# Altium PCB m-BLANC.PcbDoc (part 1 of 15) (continued)
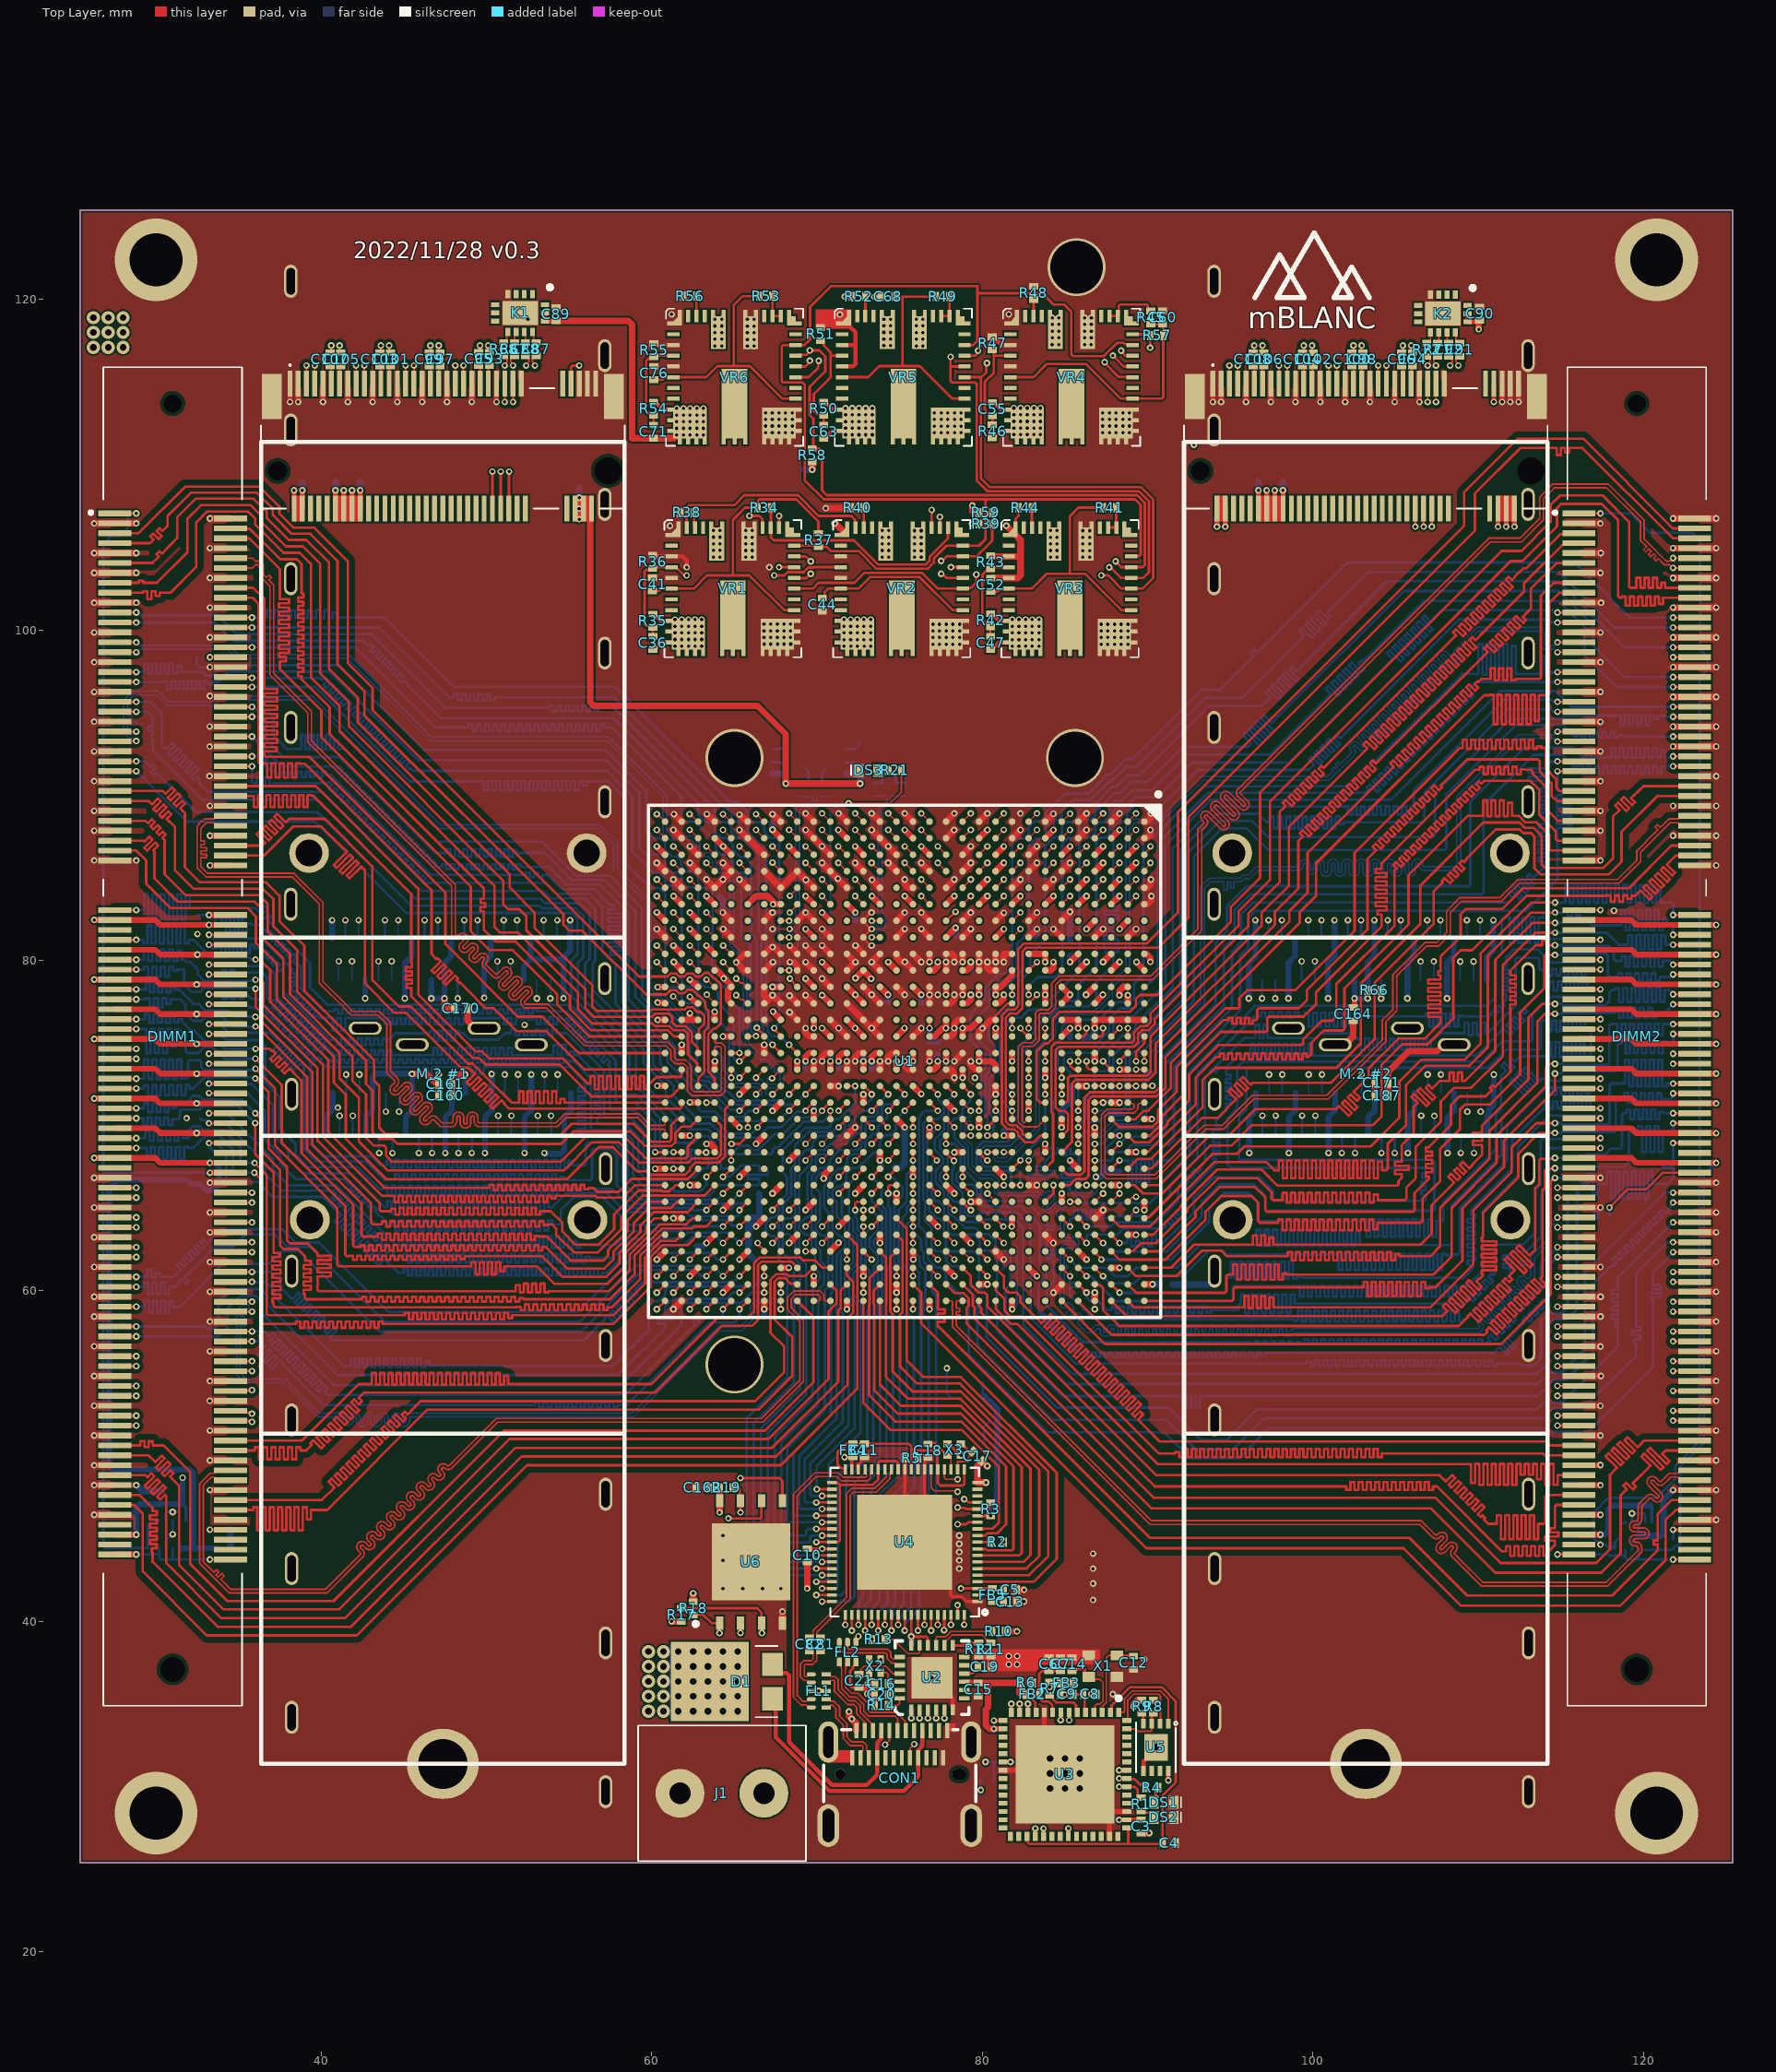
[diagram p0: Top Layer view]
## Components (designator, comment, footprint, x,y, rotation, side; value= is the part's Value field where it differs from the comment) (continued)
C104 "0.1u" SMD0402 99.37,116.38 r270 top locked
C105 "0.1u" SMD0402 41.178,116.38 r270 top
C106 "0.1u" SMD0402 97.028,116.38 r270 top locked
C107 "0.1u" SMD0402 40.526,116.379 r270 top
C108 "0.1u" SMD0402 96.376,116.38 r270 top locked
C109 "0.1u" SMD0402 63.675,83.866 r180 bottom
C110 "0.1u" SMD0402 86.396,84.442 r270 bottom
C111 "0.1u" SMD0402 78.343,84.385 r270 bottom
C112 "0.1u" SMD0402 72.317,82.03 r90 bottom
C113 "0.1u" SMD0402 82.307,84.401 r270 bottom
C114 "0.1u" SMD0402 69.3,73.089 r90 bottom
C115 "0.1u" SMD0402 73.302,73.089 r90 bottom
C116 "0.1u" SMD0402 86.891,78.193 r180 bottom
C117 "0.1u" SMD0402 69.797,78.904 r180 bottom
C118 "0.1u" SMD0402 77.812,73.073 r90 bottom
C119 "1u" SMD0402 84.316,84.385 r270 bottom
C120 "1u" SMD0402 80.3,84.401 r270 bottom
C121 "1u" SMD0402 75.287,84.401 r270 bottom
C122 "1u" SMD0402 79.296,79.087 r90 bottom
C123 "1u" SMD0402 62.296,82.403 r90 bottom
C124 "1u" SMD0402 74.814,79.915 r180 bottom
C125 "1u" SMD0402 71.295,73.089 r90 bottom
C126 "1u" SMD0402 75.792,73.089 r90 bottom
C127 "1u" SMD0402 74.288,77.055 r90 bottom
C128 "1u" SMD0402 76.3,77.055 r90 bottom
C129 "1u" SMD0402 85.353,80.736 r270 bottom
C130 "1u" SMD0402 80.319,88.388 r270 bottom
C131 "1u" SMD0402 85.351,86.402 r90 bottom
C132 "1u" SMD0402 75.287,88.429 r270 bottom
C133 "1u" SMD0402 81.3,86.399 r90 bottom
C134 "0.1u" SMD0402 76.3,86.402 r90 bottom
C135 "0.1u" SMD0402 78.366,81.11 r90 bottom
C136 "0.1u" SMD0402 67.3,88.713 r270 bottom
C137 "0.1u" SMD0402 72.3,86.402 r90 bottom
C138 "0.1u" SMD0402 61.302,80.399 r90 bottom
C139 "0.1u" SMD0402 68.399,74.165 r0 bottom
C140 "0.1u" SMD0402 69.915,71.838 r270 bottom
C141 "0.1u" SMD0402 66.917,65.884 r0 bottom
C142 "0.1u" SMD0402 65.7,61.9 r180 bottom
C143 "0.1u" SMD0402 66.808,58.044 r90 bottom
C144 "0.1u" SMD0402 77.201,58.906 r180 bottom
C145 "0.1u" SMD0402 81.91,63.171 r90 bottom
C146 "0.1u" SMD0402 91.116,60.396 r180 bottom
C147 "0.1u" SMD0402 123.402,82.153 r0 bottom
C148 "0.1u" SMD0402 26.798,82.459 r180 bottom
C149 "0.1u" SMD0402 81.296,82.403 r270 bottom
C150 "0.1u" SMD0402 69.805,82.875 r0 bottom
C151 "0.1u" SMD0402 69.798,81.913 r180 bottom
C152 "0.1u" SMD0402 70.397,74.446 r0 bottom
C153 "0.1u" SMD0402 72.395,74.446 r0 bottom
C154 "0.1u" SMD0402 87.413,27.977 r0 bottom
C155 "0.1u" SMD0402 75.705,38.232 r90 bottom
C156 "0.1u" SMD0402 64.1,46.2 r90 bottom
C157 "0.1u" SMD0402 81.636,33.49 r180 bottom
C158 "0.1u" SMD0402 75.667,35.108 r270 bottom
C159 "0.1u" SMD0402 40.857,109.391 r270 bottom
C160 "0.1u" SMD0402 47.498,71.821 r0 top
C161 "0.1u" SMD0402 47.5,72.5 r0 top
C162 "0.1u" SMD0402 63.067,48.09 r0 top
C163 "0.1u" SMD0402 74.3,67.401 r180 bottom
C164 "1u" SMD0402 102.431,76.754 r90 top
C165 "1u" SMD0402 96.696,109.404 r270 bottom
C166 "1u" SMD0402 94.2,107.2 r270 bottom
C167 "1u" SMD0402 111.691,107.141 r270 bottom
C168 "0.1u" SMD0402 55.996,108.591 r180 bottom
C169 "0.1u" SMD0402 38.839,109.403 r270 bottom
C170 "0.1u" SMD0402 48.452,77.1 r180 top
C171 "0.1u" SMD0402 104.145,72.59 r180 top
C172 "0.1u" SMD0402 87.404,67.893 r90 bottom
C173 "0.1u" SMD0402 81.225,70.186 r90 bottom
C174 "0.1u" SMD0402 117.547,64.486 r0 bottom
C175 "0.1u" SMD0402 67.3,90.9 r270 bottom
C176 "0.1u" SMD0402 71.768,90.891 r270 bottom
C177 "0.1u" SMD0402 73.389,90.346 r270 bottom
C178 "0.1u" SMD0402 75.328,90.35 r270 bottom
C179 "0.1u" SMD0402 74.798,73.089 r90 bottom
C180 "0.1u" SMD0402 78.793,73.888 r270 bottom
C181 "0.1u" SMD0402 85.703,75.316 r180 bottom
C182 "0.1u" SMD0402 82.925,81.101 r225 bottom
C183 "0.1u" SMD0402 85.804,72.38 r0 bottom
C184 "0.1u" SMD0402 67.727,76.866 r180 bottom
C185 "0.1u" SMD0402 76.667,72.307 r270 bottom
C186 "0.1u" SMD0402 72.3,71.881 r0 bottom
C187 "0.1u" SMD0402 104.145,71.802 r180 top
C188 "0.1u" SMD0402 42.345,109.389 r270 bottom
C189 "0.1u" SMD0402 72.901,38.913 r0 bottom
C190 "0.1u" SMD0402 98.172,109.414 r270 bottom
C191 "0.1u" SMD0402 123.402,78.553 r0 bottom
C192 "0.1u" SMD0402 123.402,74.948 r0 bottom
C193 "0.1u" SMD0402 123.39,71.351 r0 bottom
C194 "0.1u" SMD0402 123.393,67.755 r0 bottom
C195 "0.1u" SMD0402 26.798,71.653 r180 bottom
C196 "0.1u" SMD0402 26.798,75.24 r180 bottom
C197 "0.1u" SMD0402 26.798,68.055 r180 bottom
C198 "0.1u" SMD0402 88.298,66.823 r270 bottom
C199 "0.1u" SMD0402 65.852,64.845 r90 bottom
C200 "0.1u" SMD0402 26.798,78.839 r180 bottom
CON1 "USB4055" DX07S024JA2R1200 75,28.452 r0 top locked
D1 "V10P20-M3_86A" V10P20M386A 64.535,36.36 r90 top locked
D2 "CDBZ5T1045-HF" DIOM8060X543N 63.675,36.36 r0 bottom locked
DIMM1 "DDR3" 296409204003856 31,75.4 r270 top locked
DIMM2 "DDR3" 296409204003856 119.6,75.4 r270 top locked
DS1 "LED 0603" LED0603 90.971,29.057 r0 top
DS2 "LED 0603" LED0603 90.971,28.139 r0 top
DS3 "LED 0603" LED0603 73.1,91.5 r180 top
FB1 "600R/0.5A" SMD0402 77.296,74.71 r270 bottom
FB2 "600R/0.5A" SMD0402 83.039,35.587 r180 top
FB3 "600R/0.5A" SMD0402 85.094,36.283 r180 top
FB4 "600R/0.5A" SMD0402 72.171,50.35 r90 top
FB5 "600R/0.5A" SMD0402 80.61,41.599 r270 top
FL1 "ECMF04-4HSWM10" SON50P135X260X55-10N-D 70.1,35.8 r180 top locked
FL2 "ECMF02-2AMX6" SON50P150X170X55-6N-D 71.845,38.15 r90 top locked
J1 "CON" TB00650802BE 61.7,29.6 r0 top locked
K1 "DSC557-0344FI0" QFN50P250X320X90-15N 52.027,119.181 r270 top
K2 "DSC557-0344FI0" QFN50P250X320X90-15N 107.87,119.142 r270 top
"M.2 #1" "PCI-M2-M" PCIE-M2-M 47.35,109.625 r0 top locked
"M.2 #2" "PCI-M2-M" PCIE-M2-M 103.2,109.625 r0 top locked
Q1 "SI2324A-TP" SI2305TP 81.838,31.483 r270 bottom
"QSFP+ #1" "1888617-1" 18886171 111.95,64.3 r180 bottom locked
"QSFP+ #2" "1888617-1" 18886171 95.12,86.5 r0 bottom locked
"QSFP+ #3" "1888617-1" 18886171 39.25,86.5 r0 bottom locked
"QSFP+ #4" "1888617-1" 18886171 56.1,64.3 r180 bottom locked
R1 "1k6" SMD0402 89.597,28.932 r90 top
R2 "1k" SMD0402 80.9,44.8 r0 top
R3 "10k" SMD0402 80.5,46.8 r90 top
R4 "1k6" SMD0402 90.224,29.941 r180 top
R5 "1k6" SMD0402 75.705,49.895 r180 top
R6 "4k7" SMD0402 82.637,36.286 r0 top
R7 "12k" SMD0402 84.07,35.935 r270 top
R8 "2k" SMD0402 90.348,34.841 r90 top
R9 "10k" SMD0402 89.645,34.84 r90 top
R10 "100k" SMD0402 80.989,39.4 r180 top
R11 "50k" SMD0402 80.508,38.309 r270 top
R12 "50k" SMD0402 79.79,38.308 r270 top
R13 "50k" SMD0402 73.71,38.913 r0 top
R14 "12k" SMD0402 73.88,34.921 r0 top
R15 "4k7" SMD0402 80.3,30.4 r180 bottom
R16 "4k7" SMD0402 82.89,79.895 r180 bottom
R17 "4k7" SMD0402 61.771,40.401 r270 top
R18 "2k4" SMD0402 62.5,40.8 r90 top
R19 "4k7" SMD0402 64.5,48.1 r180 top
R20 "1k" SMD0402 72.689,60.396 r90 bottom
R21 "1k6" SMD0402 74.7,91.5 r0 top
R22 "4k7" SMD0402 122.375,70.541 r90 bottom
R23 "4k7" SMD0402 32.249,70.458 r180 bottom
R24 "4k7" SMD0402 122.375,68.547 r270 bottom
R25 "4k7" SMD0402 33.11,68.349 r180 bottom
R26 "4k7" SMD0402 122.75,98.353 r0 bottom
R27 "4k7" SMD0402 32.853,98.355 r180 bottom
R28 "4k7" SMD0402 117.815,83.015 r0 bottom
R29 "4k7" SMD0402 27.967,83.046 r180 bottom
R30 "4k7" SMD0402 122.34,83.146 r90 bottom
R31 "4k7" SMD0402 32.503,82.355 r270 bottom
R32 "4k7" SMD0402 122.21,45.05 r0 bottom
R33 "4k7" SMD0402 34.11,45.556 r0 bottom
R34 "10k" SMD0402 66.8,107.401 r0 top
R35 "2k" SMD0402 60.052,100.555 r90 top
R36 "3k" SMD0402 60.047,104.122 r90 top
R37 "10k" SMD0402 70.076,105.431 r270 top
R38 "4k99" SMD0402 62.119,107.097 r180 top
R39 "10k" SMD0402 80.203,106.415 r180 top
R40 "15k" SMD0402 72.42,107.401 r180 top
R41 "10k" SMD0402 87.698,107.401 r0 top
R42 "2k" SMD0402 80.498,100.592 r90 top
R43 "2k" SMD0402 80.5,104.1 r90 top
R44 "24k9" SMD0402 82.593,107.401 r180 top
R45 "10k" SMD0402 90.2,118.9 r90 top
R46 "2k" SMD0402 80.602,112.023 r270 top
R47 "1k6" SMD0402 80.6,117.343 r90 top
R48 "34k8" SMD0402 83.1,120.4 r90 top
R49 "10k" SMD0402 77.595,120.174 r0 top locked
R50 "5k" SMD0402 70.394,113.4 r90 top
R51 "2k5" SMD0402 70.2,117.9 r90 top
R52 "45k3" SMD0402 72.52,120.176 r180 top locked
R53 "10k" SMD0402 66.9,120.2 r0 top
R54 "4k5" SMD0402 60.1,113.4 r90 top
R55 "1k" SMD0402 60.124,116.943 r90 top
R56 "54k9" SMD0402 62.3,120.2 r180 top
R57 "10k" SMD0402 90.558,117.813 r180 top
R58 "10k" SMD0402 69.696,110.577 r90 top
R59 "10k" SMD0402 80.2,107.1 r180 top
R60 "5k1" SMD0402 76.628,32.567 r180 bottom
R61 "5k1" SMD0402 73.364,32.567 r0 bottom
R62 "4k7" SMD0402 80.5,50.8 r180 bottom
R63 "4k7" SMD0402 67.3,92.4 r270 bottom
R64 "100" SMD0402 69.889,90.658 r0 bottom
R65 "100" SMD0402 78.367,82.45 r270 bottom
R66 "4k7" SMD0402 103.722,78.193 r0 top
R67 "33" SMD0402 51.685,116.996 r90 top
R68 "33" SMD0402 51.035,116.998 r90 top
R69 "49R9" SMD0402 51.01,115.068 r90 bottom
R70 "49R9" SMD0402 51.664,115.069 r90 bottom
R71 "33" SMD0402 107.549,116.95 r90 top
R72 "33" SMD0402 106.887,116.948 r90 top
R73 "49R9" SMD0402 106.859,115.035 r90 bottom
R74 "49R9" SMD0402 107.511,115.036 r90 bottom
R75 "100k" SMD0402 83.227,33.493 r0 bottom
R76 "4k7" SMD0402 71.771,92.386 r270 bottom
R77 "100" SMD0402 74.358,90.676 r0 bottom
U1 "XC7K420T-1FFG901C" FFG901 75.3,73.9 r270 top locked
U2 "USB2422" QFN-MJ24 76.953,36.598 r90 top locked
U3 "FT2232H-56Q" QFN50P800X800X100-57N-D 85,30.75 r270 top locked
U4 "FT601Q-B-T" *QFN40P900X900X100-77N 75.3,44.8 r180 top locked
U5 "93LC46" *SON50P200X300X100-9N 90.502,32.386 r270 top locked
U6 "S25HL512" SON127P800X600X80-9N-D 66,43.6 r90 top
U7 "TPS51206" SON40P200X200X80-11N 31,45.275 r90 bottom
U8 "TPS51206" SON40P200X200X80-11N 119.712,45.188 r90 bottom
VR1 "MPM3695-10" QFN45-MPM3695-10 64.9,102.5 r0 top locked
VR2 "MPM3695-10" QFN45-MPM3695-10 75.12,102.5 r0 top locked
VR3 "MPM3695-10" QFN45-MPM3695-10 85.3,102.5 r0 top locked
VR4 "MPM3695-10" QFN45-MPM3695-10 85.4,115.293 r0 top locked
VR5 "MPM3695-10" QFN45-MPM3695-10 75.22,115.293 r0 top locked
VR6 "MPM3695-10" QFN45-MPM3695-10 65,115.293 r0 top locked
X1 "12Mhz" CRYSTAL2520 87.3,37.3 r180 top locked
X2 "24Mhz" CRYSTAL1210 73.5,37.3 r270 top
X3 "30Mhz" CRYSTAL1210 78.3,50.4 r180 top
Y1 "100.000MHZ" ASEM1100000MHZLCT 79.088,52.7 r180 bottom
Y2 "AX3DAF1-156.25" AX3DAF11000000 69.3,92.4 r0 bottom
Y3 "AX3DAF1-156.25" AX3DAF11000000 73.75,92.389 r0 bottom

## Footprints (in the part's own frame and the unit in brackets; to place one, negate y for a bottom-side part, rotate by r counter-clockwise, add the part's x,y. Pads: shape width x height; smd on the part's side, far side on the other; paste and mask are expansions set on the pad)
18886171 [mm]
  rrect100% 0.35x1.8 smd: 1(1.4,5.18) 2(2.2,5.18) 3(3,5.18) 4(3.8,5.18) 5(4.6,5.18) 6(5.4,5.18) 7(6.2,5.18) 8(7,5.18) 9(7.8,5.18) 10(8.6,5.18) 11(9.4,5.18) 12(10.2,5.18) 13(11,5.18) 14(11.8,5.18) 15(12.6,5.18) 16(13.4,5.18) 17(14.2,5.18) 18(15,5.18) 19(15.8,5.18) 20(15.4,7.68) 21(14.6,7.68) 22(13.8,7.68) 23(13,7.68) 24(12.2,7.68) 25(11.4,7.68) 26(10.6,7.68) 27(9.8,7.68) 28(9,7.68) 29(8.2,7.68) 30(7.4,7.68) 31(6.6,7.68) 32(5.8,7.68) 33(5,7.68) 34(4.2,7.68) 35(3.4,7.68) 36(2.6,7.68) 37(1.8,7.68) 38(1,7.68)
  round 2.4 hole 1.6: MH1(0,0) MH2(16.8,0)
  oval 0.8x2 hole 1.6 slot 0.5 at 0 deg: MH3(17.9,7.6) MH4(-1.1,3.1) MH5(-1.1,-7.6) MH6(-1.1,-16.6) MH7(-1.1,-25.6) MH8(-1.1,-34.6) MH9(17.9,-3.1) MH10(17.9,-12.1) MH11(17.9,-21.1) MH12(17.9,-30.1)
  oval 2x0.8 hole 0.5 slot 1.6 at 0 deg: MH13(3.4,10.6) MH14(10.6,10.6)
  silkscreen extent -1.53,-48 18.33,5.3, body extent -2.25,-48.06 19.09,10.75, height 10.79
296409204003856 [mm]
  rect 0.35x2 smd: 1(-31.65,-3.5) 2(-31.35,3.5) 3(-31.05,-3.5) 4(-30.75,3.5) 5(-30.45,-3.5) 6(-30.15,3.5) 7(-29.85,-3.5) 8(-29.55,3.5) 9(-29.25,-3.5) 10(-28.95,3.5) 11(-28.65,-3.5) 12(-28.35,3.5) 13(-28.05,-3.5) 14(-27.75,3.5) 15(-27.45,-3.5) 16(-27.15,3.5) 17(-26.85,-3.5) 18(-26.55,3.5) 19(-26.25,-3.5) 20(-25.95,3.5) 21(-25.65,-3.5) 22(-25.35,3.5) 23(-25.05,-3.5) 24(-24.75,3.5) 25(-24.45,-3.5) 26(-24.15,3.5) 27(-23.85,-3.5) 28(-23.55,3.5) 29(-23.25,-3.5) 30(-22.95,3.5) 31(-22.65,-3.5) 32(-22.35,3.5) 33(-22.05,-3.5) 34(-21.75,3.5) 35(-21.45,-3.5) 36(-21.15,3.5) 37(-20.85,-3.5) 38(-20.55,3.5) 39(-20.25,-3.5) 40(-19.95,3.5) 41(-19.65,-3.5) 42(-19.35,3.5) 43(-19.05,-3.5) 44(-18.75,3.5) 45(-18.45,-3.5) 46(-18.15,3.5) 47(-17.85,-3.5) 48(-17.55,3.5) 49(-17.25,-3.5) 50(-16.95,3.5) 51(-16.65,-3.5) 52(-16.35,3.5) 53(-16.05,-3.5) 54(-15.75,3.5) 55(-15.45,-3.5) 56(-15.15,3.5) 57(-14.85,-3.5) 58(-14.55,3.5) 59(-14.25,-3.5) 60(-13.95,3.5) 61(-13.65,-3.5) 62(-13.35,3.5) 63(-13.05,-3.5) 64(-12.75,3.5) 65(-12.45,-3.5) 66(-12.15,3.5) 67(-11.85,-3.5) 68(-11.55,3.5) 69(-11.25,-3.5) 70(-10.95,3.5) 71(-10.65,-3.5) 72(-10.35,3.5) 73(-7.65,-3.5) 74(-7.35,3.5) 75(-7.05,-3.5) 76(-6.75,3.5) 77(-6.45,-3.5) 78(-6.15,3.5) 79(-5.85,-3.5) 80(-5.55,3.5) 81(-5.25,-3.5) 82(-4.95,3.5) 83(-4.65,-3.5) 84(-4.35,3.5) 85(-4.05,-3.5) 86(-3.75,3.5) 87(-3.45,-3.5) 88(-3.15,3.5) 89(-2.85,-3.5) 90(-2.55,3.5) 91(-2.25,-3.5) 92(-1.95,3.5) 93(-1.65,-3.5) 94(-1.35,3.5) 95(-1.05,-3.5) 96(-0.75,3.5) 97(-0.45,-3.5) 98(-0.15,3.5) 99(0.15,-3.5) 100(0.45,3.5) 101(0.75,-3.5) 102(1.05,3.5) 103(1.35,-3.5) 104(1.65,3.5) 105(1.95,-3.5) 106(2.25,3.5) 107(2.55,-3.5) 108(2.85,3.5) 109(3.15,-3.5) 110(3.45,3.5) 111(3.75,-3.5) 112(4.05,3.5) 113(4.35,-3.5) 114(4.65,3.5) 115(4.95,-3.5) 116(5.25,3.5) 117(5.55,-3.5) 118(5.85,3.5) 119(6.15,-3.5) 120(6.45,3.5) 121(6.75,-3.5) 122(7.05,3.5) 123(7.35,-3.5) 124(7.65,3.5) 125(7.95,-3.5) 126(8.25,3.5) 127(8.55,-3.5) 128(8.85,3.5) 129(9.15,-3.5) 130(9.45,3.5) 131(9.75,-3.5) 132(10.05,3.5) 133(10.35,-3.5) 134(10.65,3.5) 135(10.95,-3.5) 136(11.25,3.5) 137(11.55,-3.5) 138(11.85,3.5) 139(12.15,-3.5) 140(12.45,3.5) 141(12.75,-3.5) 142(13.05,3.5) 143(13.35,-3.5) 144(13.65,3.5) 145(13.95,-3.5) 146(14.25,3.5) 147(14.55,-3.5) 148(14.85,3.5) 149(15.15,-3.5) 150(15.45,3.5) 151(15.75,-3.5) 152(16.05,3.5) 153(16.35,-3.5) 154(16.65,3.5) 155(16.95,-3.5) 156(17.25,3.5) 157(17.55,-3.5) 158(17.85,3.5) 159(18.15,-3.5) 160(18.45,3.5) 161(18.75,-3.5) 162(19.05,3.5) 163(19.35,-3.5) 164(19.65,3.5) 165(19.95,-3.5) 166(20.25,3.5) 167(20.55,-3.5) 168(20.85,3.5) 169(21.15,-3.5) 170(21.45,3.5) 171(21.75,-3.5) 172(22.05,3.5) 173(22.35,-3.5) 174(22.65,3.5) 175(22.95,-3.5) 176(23.25,3.5) 177(23.55,-3.5) 178(23.85,3.5) 179(24.15,-3.5) 180(24.45,3.5) 181(24.75,-3.5) 182(25.05,3.5) 183(25.35,-3.5) 184(25.65,3.5) 185(25.95,-3.5) 186(26.25,3.5) 187(26.55,-3.5) 188(26.85,3.5) 189(27.15,-3.5) 190(27.45,3.5) 191(27.75,-3.5) 192(28.05,3.5) 193(28.35,-3.5) 194(28.65,3.5) 195(28.95,-3.5) 196(29.25,3.5) 197(29.55,-3.5) 198(29.85,3.5) 199(30.15,-3.5) 200(30.45,3.5) 201(30.75,-3.5) 202(31.05,3.5) 203(31.35,-3.5) 204(31.65,3.5)
  round 0.55 hole 1.1 unplated: MH1(-38.3,0)
  round 0.75 hole 1.5 unplated: MH2(38.3,0)
  silkscreen extent -40.5,-5.05 40.5,4.2, body extent -44,-4.46 44,4.46, height 14.6
*QFN40P900X900X100-77N [mm]
  rect 0.6x0.2 smd: 1(-4.4,3.6) 2(-4.4,3.2) 3(-4.4,2.8) 4(-4.4,2.4) 5(-4.4,2) 6(-4.4,1.6) 7(-4.4,1.2) 8(-4.4,0.8) 9(-4.4,0.4) 10(-4.4,0) 11(-4.4,-0.4) 12(-4.4,-0.8) 13(-4.4,-1.2) 14(-4.4,-1.6) 15(-4.4,-2) 16(-4.4,-2.4) 17(-4.4,-2.8) 18(-4.4,-3.2) 19(-4.4,-3.6) 39(4.4,-3.6) 40(4.4,-3.2) 41(4.4,-2.8) 42(4.4,-2.4) 43(4.4,-2) 44(4.4,-1.6) 45(4.4,-1.2) 46(4.4,-0.8) 47(4.4,-0.4) 48(4.4,0) 49(4.4,0.4) 50(4.4,0.8) 51(4.4,1.2) 52(4.4,1.6) 53(4.4,2) 54(4.4,2.4) 55(4.4,2.8) 56(4.4,3.2) 57(4.4,3.6)
  rect 0.2x0.6 smd: 20(-3.6,-4.4) 21(-3.2,-4.4) 22(-2.8,-4.4) 23(-2.4,-4.4) 24(-2,-4.4) 25(-1.6,-4.4) 26(-1.2,-4.4) 27(-0.8,-4.4) 28(-0.4,-4.4) 29(0,-4.4) 30(0.4,-4.4) 31(0.8,-4.4) 32(1.2,-4.4) 33(1.6,-4.4) 34(2,-4.4) 35(2.4,-4.4) 36(2.8,-4.4) 37(3.2,-4.4) 38(3.6,-4.4) 58(3.6,4.4) 59(3.2,4.4) 60(2.8,4.4) 61(2.4,4.4) 62(2,4.4) 63(1.6,4.4) 64(1.2,4.4) 65(0.8,4.4) 66(0.4,4.4) 67(0,4.4) 68(-0.4,4.4) 69(-0.8,4.4) 70(-1.2,4.4) 71(-1.6,4.4) 72(-2,4.4) 73(-2.4,4.4) 74(-2.8,4.4) 75(-3.2,4.4) 76(-3.6,4.4)
  rect 5.75x5.75 smd: 77(0,0)
  silkscreen extent -4.99,-4.5 4.5,4.5, body extent -4.5,-4.5 4.5,4.5, height 0.9
*SON50P200X300X100-9N [mm]
  rect 0.6x0.27 smd: 1(-1.435,0.75) 2(-1.435,0.25) 3(-1.435,-0.25) 4(-1.435,-0.75) 5(1.435,-0.75) 6(1.435,-0.25) 7(1.435,0.25) 8(1.435,0.75)
  rect 1.625x1.425 smd: 9(0,0)
  silkscreen extent -1.55,-1.2 1.5,1.3, body extent -1.5,-1 1.5,1, height 0.75
ASEM1100000MHZLCT [mm]
  rect 0.8x0.9 smd: 1(-1.05,-0.9) 2(1.05,-0.9) 3(1.05,0.9) 4(-1.05,0.9)
  silkscreen extent -1.1,-1.85 -1,-1.75, body extent -1.6,-1.36 1.6,1.36, height 1
AX3DAF11000000 [mm]
  rect 0.8x1 smd: 1(-1.2,-0.8) 2(0,-0.8) 3(1.2,-0.8) 4(1.2,0.8) 5(0,0.8) 6(-1.2,0.8)
  silkscreen extent -1.25,-1.7 -1.15,-1.6, body extent -1.6,-1.26 1.6,1.26, height 1.2
CAPC3225X280N#1 [mm]
  rect 1.22x2.82 smd: 1(-1.35,0) 2(1.35,0)
  silkscreen extent 0,-1.15 0,1.15, body extent -1.6,-1.25 1.6,1.25, height 2.8
CAPC3225X280N#2 [mm]
  rect 1.22x2.82 smd: 1(-1.35,0) 2(1.305,0)
  silkscreen extent 0,-1.15 0,1.15, body extent -1.6,-1.25 1.6,1.25, height 2.8
CAPC3225X280N#3 [mm]
  rect 1.22x2.82 smd: 1(-1.35,0) 2(1.301,0)
  silkscreen extent 0,-1.15 0,1.15, body extent -1.6,-1.25 1.6,1.25, height 2.8
CRYSTAL1210 [mm]
  rect 0.5x0.4 smd: 1(-0.4,-0.35) 2(0.4,-0.35) 3(0.4,0.35) 4(-0.4,0.35)
  body extent -0.61,-0.51 0.61,0.51, height 0.5
CRYSTAL2520 [mm]
  rect 0.75x0.6 smd: 1(-0.85,-0.65) 2(0.85,-0.65) 3(0.85,0.65) 4(-0.85,0.65)
  body extent -1.25,-1 1.25,1, height 0.5
DIOM8060X543N [mm]
  rect 2.2x5.2 smd: 1(-3.5,0) 2(3.5,0)
  silkscreen extent -4.6,-3.01 4.01,3.01, body extent -4.01,-3.01 4.01,3.01, height 5.43
DX07S024JA2R1200 [mm] "Micro USB Receptacle, Type C, Hybrid Type, PCB Top Mount"
  rect 0.25x0.9 smd: A1(-2.628,4.942) A2(-2.128,4.942) A3(-1.628,4.942) A4(-1.128,4.942) A5(-0.628,4.942) A6(-0.128,4.942) A7(0.372,4.942) A8(0.872,4.942) A9(1.372,4.942) A10(1.872,4.942) A11(2.372,4.942) A12(2.872,4.942) B1(2.625,3.297) B2(2.125,3.297) B3(1.625,3.297) B4(1.125,3.297) B5(0.625,3.297) B6(0.125,3.297) B7(-0.375,3.297) B8(-0.875,3.297) B9(-1.375,3.297) B10(-1.875,3.297) B11(-2.375,3.297) B12(-2.875,3.297)
  oval 1.3x2.6 hole 0.7 slot 2 at 90 deg: S(-4.32,-0.8) S(4.32,-0.8)
  oval 1.2x2.5 hole 0.6 slot 1.9 at 90 deg: S(-4.32,4.25) S(4.32,4.25)
  round 0.65 hole 0.65 unplated: ""(-3.6,2.3)
  oval 0.85x0.65 hole 0.65 slot 0.85 at 0 deg unplated: ""(3.6,2.3)
  silkscreen extent -4.6,0.66 4.6,5, body extent -4.47,-3.1 4.47,5.07, height 3.17